# KiCad board raven.kicad_pcb (continued)
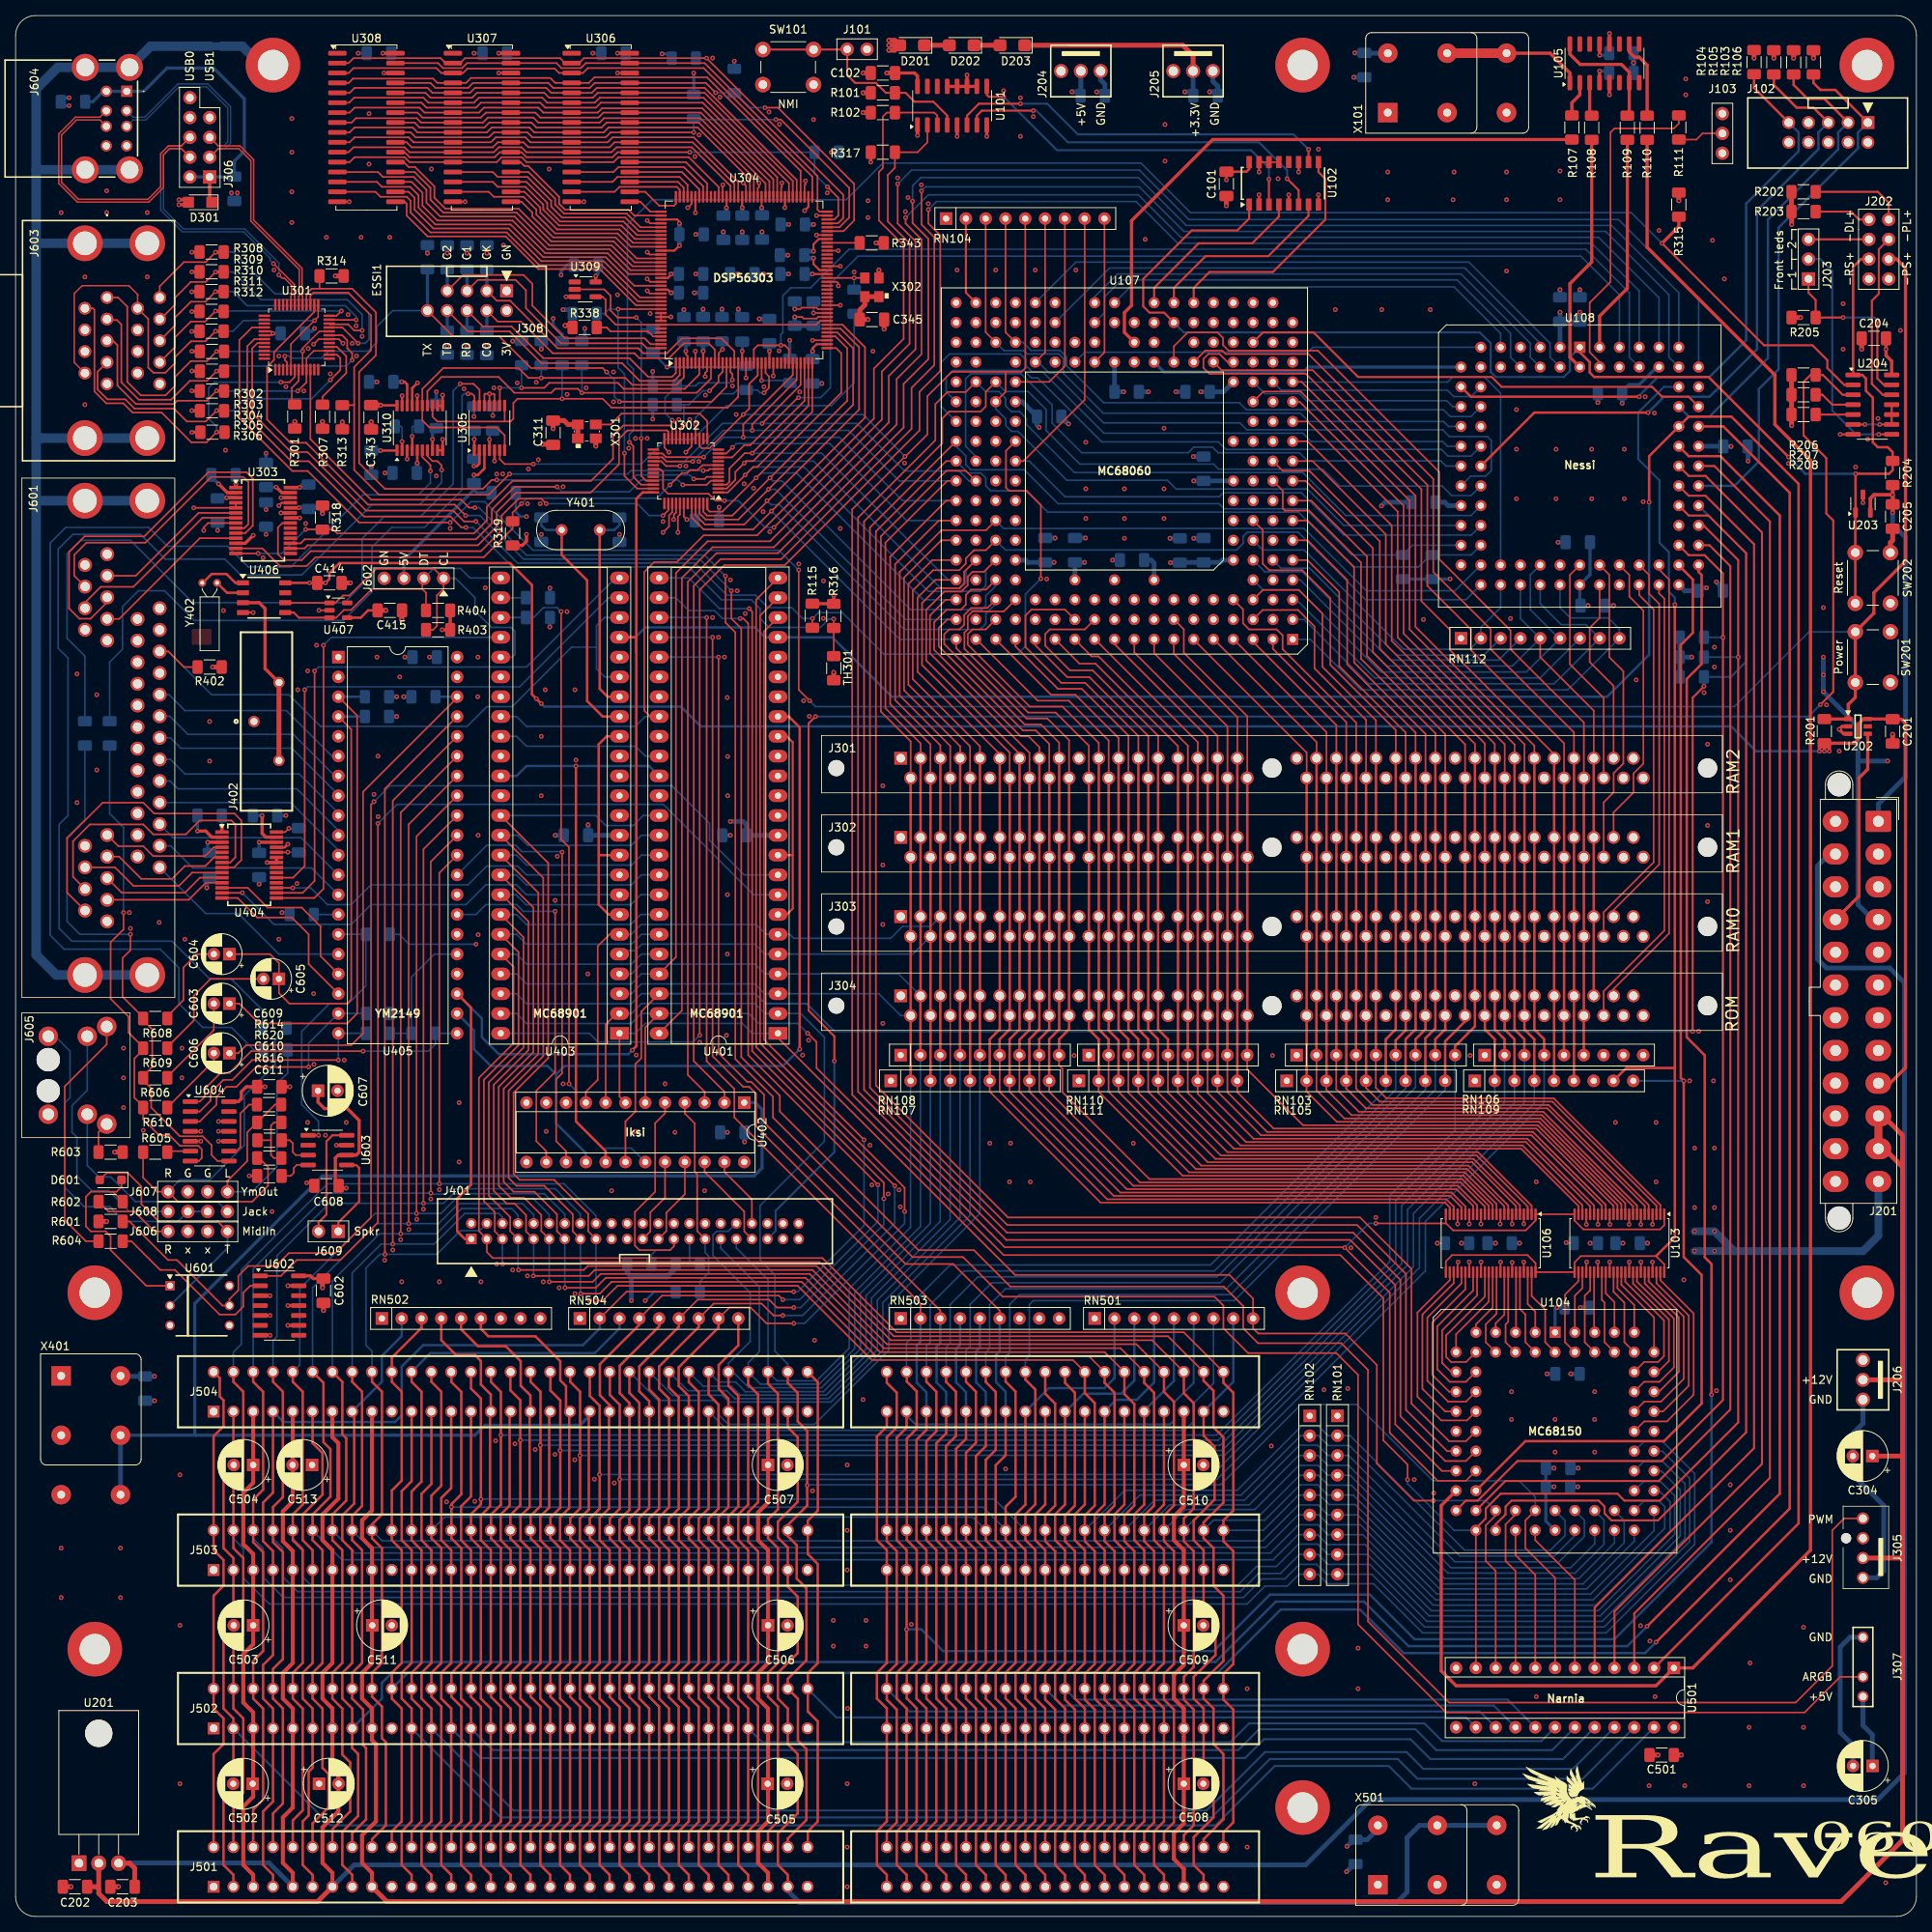
[diagram p0: board, top side]
## Footprints (pads in the part's own frame, mm; a bottom-side part is the same pattern mirrored in y, then rotated) (continued)
K42XE9PPA4NJ
  round 1.635 hole 1.09: A1(0,0) A2(2.77,0) A3(5.54,0) A4(8.31,0) A5(11.08,0) A6(1.385,-2.84) A7(4.155,-2.84) A8(6.925,-2.84) A9(9.695,-2.84) B1(0,6.76) B2(2.77,6.76) B3(5.54,6.76) B4(8.31,6.76) B5(11.08,6.76) B6(1.385,3.92) B7(4.155,3.92) B8(6.925,3.92) B9(9.695,3.92)
  round 4.575 hole 3.05: MH1(-6.955,5.16) MH2(18.035,5.16) MH3(-6.955,-2.84) MH4(18.035,-2.84)
L17H26R0121
  round 1.785 hole 1.19: A1(-6.94,-6.731) A2(-4.17,-6.731) A3(-1.4,-6.731) A4(1.37,-6.731) A5(4.14,-6.731) A6(-5.555,-9.571) A7(-2.785,-9.571) A8(-0.015,-9.571) A9(2.755,-9.571) B1(29.085,-6.731) B2(31.855,-6.731) B3(34.625,-6.731) B4(37.395,-6.731) B5(40.165,-6.731) B6(30.47,-9.571) B7(33.24,-9.571) B8(36.01,-9.571) B9(38.78,-9.571) C1(33.24,0) C2(30.47,0) C3(27.7,0) C4(24.93,0) C5(22.16,0) C6(19.39,0) C7(16.62,0) C8(13.85,0) C9(11.08,0) C10(8.31,0) C11(5.54,0) C12(2.77,0) C13(0,0) C14(31.855,-2.84) C15(29.085,-2.84) C16(26.315,-2.84) C17(23.545,-2.84) C18(20.775,-2.84) C19(18.005,-2.84) C20(15.235,-2.84) C21(12.465,-2.84) C22(9.695,-2.84) C23(6.925,-2.84) C24(4.155,-2.84) C25(1.385,-2.84)
  round 4.575 hole 3.05: MH1(-13.8,-1.59) MH2(47.04,-1.59) MH3(-13.8,-9.59) MH4(47.04,-9.59)
LQFP-48_7x7mm_P0.5mm
  rrect 1.475x0.3 smd: 1(-4.162,2.75) 2(-4.162,2.25) 3(-4.162,1.75) 4(-4.162,1.25) 5(-4.162,0.75) 6(-4.162,0.25) 7(-4.162,-0.25) 8(-4.162,-0.75) 9(-4.162,-1.25) 10(-4.162,-1.75) 11(-4.162,-2.25) 12(-4.162,-2.75) 25(4.162,-2.75) 26(4.162,-2.25) 27(4.162,-1.75) 28(4.162,-1.25) 29(4.162,-0.75) 30(4.162,-0.25) 31(4.162,0.25) 32(4.162,0.75) 33(4.162,1.25) 34(4.162,1.75) 35(4.162,2.25) 36(4.162,2.75)
  rrect 0.3x1.475 smd: 13(-2.75,-4.162) 14(-2.25,-4.162) 15(-1.75,-4.162) 16(-1.25,-4.162) 17(-0.75,-4.162) 18(-0.25,-4.162) 19(0.25,-4.162) 20(0.75,-4.162) 21(1.25,-4.162) 22(1.75,-4.162) 23(2.25,-4.162) 24(2.75,-4.162) 37(2.75,4.162) 38(2.25,4.162) 39(1.75,4.162) 40(1.25,4.162) 41(0.75,4.162) 42(0.25,4.162) 43(-0.25,4.162) 44(-0.75,4.162) 45(-1.25,4.162) 46(-1.75,4.162) 47(-2.25,4.162) 48(-2.75,4.162)
MC68060_PGA206
  rect 1.422x1.422 hole 0.8: A01(21.59,-20.574)
  round 1.422 hole 0.8: A02(19.05,-20.574) A03(16.51,-20.574) A04(13.97,-20.574) A05(11.43,-20.574) A06(8.89,-20.574) A07(6.35,-20.574) A08(3.81,-20.574) A09(1.27,-20.574) A10(-1.27,-20.574) A11(-3.81,-20.574) A12(-6.35,-20.574) A13(-8.89,-20.574) A14(-11.43,-20.574) A15(-13.97,-20.574) A16(-16.51,-20.574) A17(-19.05,-20.574) A18(-21.59,-20.574) B01(21.59,-18.034) B02(19.05,-18.034) B03(16.51,-18.034) B04(13.97,-18.034) B05(11.43,-18.034) B06(8.89,-18.034) B07(6.35,-18.034) B08(3.81,-18.034) B09(1.27,-18.034) B10(-1.27,-18.034) B11(-3.81,-18.034) B12(-6.35,-18.034) B13(-8.89,-18.034) B14(-11.43,-18.034) B15(-13.97,-18.034) B16(-16.51,-18.034) B17(-19.05,-18.034) B18(-21.59,-18.034) C01(21.59,-15.494) C02(19.05,-15.494) C03(16.51,-15.494) C04(13.97,-15.494) C05(11.43,-15.494) C06(8.89,-15.494) C07(6.35,-15.494) C08(3.81,-15.494) C09(1.27,-15.494) C10(-1.27,-15.494) C11(-3.81,-15.494) C12(-6.35,-15.494) C13(-8.89,-15.494) C14(-11.43,-15.494) C15(-13.97,-15.494) C16(-16.51,-15.494) C17(-19.05,-15.494) C18(-21.59,-15.494) D01(21.59,-12.954) D02(19.05,-12.954) D03(16.51,-12.954) D08(3.81,-12.954) D10(-1.27,-12.954) D12(-6.35,-12.954) D15(-13.97,-12.954) D16(-16.51,-12.954) D17(-19.05,-12.954) D18(-21.59,-12.954) E01(21.59,-10.414) E02(19.05,-10.414) E03(16.51,-10.414) E04(13.97,-10.414) E15(-13.97,-10.414) E16(-16.51,-10.414) E17(-19.05,-10.414) E18(-21.59,-10.414) F01(21.59,-7.874) F02(19.05,-7.874) F03(16.51,-7.874) F04(13.97,-7.874) F15(-13.97,-7.874) F16(-16.51,-7.874) F17(-19.05,-7.874) F18(-21.59,-7.874) G01(21.59,-5.334) G02(19.05,-5.334) G03(16.51,-5.334) G04(13.97,-5.334) G15(-13.97,-5.334) G16(-16.51,-5.334) G17(-19.05,-5.334) G18(-21.59,-5.334) H01(21.59,-2.794) H02(19.05,-2.794) H03(16.51,-2.794) H04(13.97,-2.794) H15(-13.97,-2.794) H16(-16.51,-2.794) H17(-19.05,-2.794) H18(-21.59,-2.794) J01(21.59,-0.254) J02(19.05,-0.254) J03(16.51,-0.254) J04(13.97,-0.254) J15(-13.97,-0.254) J16(-16.51,-0.254) J17(-19.05,-0.254) J18(-21.59,-0.254) K01(21.59,2.286) K02(19.05,2.286) K03(16.51,2.286) K15(-13.97,2.286) K16(-16.51,2.286) K17(-19.05,2.286) K18(-21.59,2.286) L01(21.59,4.826) L02(19.05,4.826) L03(16.51,4.826) L04(13.97,4.826) L15(-13.97,4.826) L16(-16.51,4.826) L17(-19.05,4.826) L18(-21.59,4.826) M01(21.59,7.366) M02(19.05,7.366) M03(16.51,7.366) M15(-13.97,7.366) M16(-16.51,7.366) M17(-19.05,7.366) M18(-21.59,7.366) N01(21.59,9.906) N02(19.05,9.906) N03(16.51,9.906) N15(-13.97,9.906) N16(-16.51,9.906) N17(-19.05,9.906) N18(-21.59,9.906) P01(21.59,12.446) P02(19.05,12.446) P03(16.51,12.446) P04(13.97,12.446) P15(-13.97,12.446) P16(-16.51,12.446) P17(-19.05,12.446) P18(-21.59,12.446) Q01(21.59,14.986) Q02(19.05,14.986) Q03(16.51,14.986) Q04(13.97,14.986) Q05(11.43,14.986) Q06(8.89,14.986) Q07(6.35,14.986) Q08(3.81,14.986) Q09(1.27,14.986) Q10(-1.27,14.986) Q11(-3.81,14.986) Q12(-6.35,14.986) Q13(-8.89,14.986) Q14(-11.43,14.986) Q15(-13.97,14.986) Q17(-19.05,14.986) Q18(-21.59,14.986) R01(21.59,17.526) R02(19.05,17.526) R03(16.51,17.526) R04(13.97,17.526) R05(11.43,17.526) R06(8.89,17.526) R08(3.81,17.526) R09(1.27,17.526) R11(-3.81,17.526) R12(-6.35,17.526) R13(-8.89,17.526) R14(-11.43,17.526) R15(-13.97,17.526) R16(-16.51,17.526) R17(-19.05,17.526) R18(-21.59,17.526) S01(21.59,20.066) S02(19.05,20.066) S03(16.51,20.066) S04(13.97,20.066) S05(11.43,20.066) S06(8.89,20.066) S07(6.35,20.066) S08(3.81,20.066) S09(1.27,20.066) S10(-1.27,20.066) S11(-3.81,20.066) S13(-8.89,20.066) S14(-11.43,20.066) S15(-13.97,20.066) S16(-16.51,20.066) S17(-19.05,20.066) S18(-21.59,20.066) T02(19.05,22.606) T03(16.51,22.606) T04(13.97,22.606) T05(11.43,22.606) T06(8.89,22.606) T07(6.35,22.606) T08(3.81,22.606) T10(-1.27,22.606) T11(-3.81,22.606) T13(-8.89,22.606) T14(-11.43,22.606) T15(-13.97,22.606) T16(-16.51,22.606) T17(-19.05,22.606) T18(-21.59,22.606)
NetTie-2_SMD_Pad0.5mm
  round 0.5 smd: 1(-0.762,0) 2(0.635,0)
Oscillator_DIP-8-16
  rect 2.5x2.5 hole 1: 1(0,0)
  round 2.5 hole 1: 4(7.62,0) 4(15.24,0) 5(7.62,7.62) 5(15.24,7.62) 8(0,7.62)
PinHeader_1x02_P2.54mm_Vertical
  round 1.7 hole 1: 1(0,0)
  oval 1.7x1.7 hole 1: 2(0,-2.54)
PinHeader_1x02_P2.54mm_Vertical#2
  rect 1.7x1.7 hole 1: 1(0,0)
  oval 1.7x1.7 hole 1: 2(0,-2.54)
PinHeader_1x03_P2.54mm_Vertical
  round 1.7 hole 1: 1(0,0)
  oval 1.7x1.7 hole 1: 2(0,-2.54) 3(0,-5.08)
PinHeader_1x03_P2.54mm_Vertical#2
  rect 1.7x1.7 hole 1: 1(0,0)
  oval 1.7x1.7 hole 1: 2(0,-2.54) 3(0,-5.08)
PinHeader_1x04_P2.54mm_Vertical
  round 1.7 hole 1: 1(0,0)
  oval 1.7x1.7 hole 1: 2(0,-2.54) 3(0,-5.08) 4(0,-7.62)
PinHeader_2x04_P2.54mm_Vertical
  round 1.7 hole 1: 1(0,0)
  oval 1.7x1.7 hole 1: 2(2.54,0) 3(0,-2.54) 4(2.54,-2.54) 5(0,-5.08) 6(2.54,-5.08) 7(0,-7.62) 8(2.54,-7.62)
PLCC-68_THT-Socket
  rect 1.422x1.422 hole 0.8: 1(0,0)
  round 1.422 hole 0.8: 2(0,-2.54) 3(-2.54,0) 4(-2.54,-2.54) 5(-5.08,0) 6(-5.08,-2.54) 7(-7.62,0) 8(-7.62,-2.54) 9(-10.16,0) 10(-12.7,-2.54) 11(-10.16,-2.54) 12(-12.7,-5.08) 13(-10.16,-5.08) 14(-12.7,-7.62) 15(-10.16,-7.62) 16(-12.7,-10.16) 17(-10.16,-10.16) 18(-12.7,-12.7) 19(-10.16,-12.7) 20(-12.7,-15.24) 21(-10.16,-15.24) 22(-12.7,-17.78) 23(-10.16,-17.78) 24(-12.7,-20.32) 25(-10.16,-20.32) 26(-12.7,-22.86) 27(-10.16,-25.4) 28(-10.16,-22.86) 29(-7.62,-25.4) 30(-7.62,-22.86) 31(-5.08,-25.4) 32(-5.08,-22.86) 33(-2.54,-25.4) 34(-2.54,-22.86) 35(0,-25.4) 36(0,-22.86) 37(2.54,-25.4) 38(2.54,-22.86) 39(5.08,-25.4) 40(5.08,-22.86) 41(7.62,-25.4) 42(7.62,-22.86) 43(10.16,-25.4) 44(12.7,-22.86) 45(10.16,-22.86) 46(12.7,-20.32) 47(10.16,-20.32) 48(12.7,-17.78) 49(10.16,-17.78) 50(12.7,-15.24) 51(10.16,-15.24) 52(12.7,-12.7) 53(10.16,-12.7) 54(12.7,-10.16) 55(10.16,-10.16) 56(12.7,-7.62) 57(10.16,-7.62) 58(12.7,-5.08) 59(10.16,-5.08) 60(12.7,-2.54) 61(10.16,0) 62(10.16,-2.54) 63(7.62,0) 64(7.62,-2.54) 65(5.08,0) 66(5.08,-2.54) 67(2.54,0) 68(2.54,-2.54)
PLCC-84_THT-Socket
  rect 1.422x1.422 hole 0.8: 1(0,0)
  round 1.422 hole 0.8: 2(0,-2.54) 3(-2.54,0) 4(-2.54,-2.54) 5(-5.08,0) 6(-5.08,-2.54) 7(-7.62,0) 8(-7.62,-2.54) 9(-10.16,0) 10(-10.16,-2.54) 11(-12.7,0) 12(-15.24,-2.54) 13(-12.7,-2.54) 14(-15.24,-5.08) 15(-12.7,-5.08) 16(-15.24,-7.62) 17(-12.7,-7.62) 18(-15.24,-10.16) 19(-12.7,-10.16) 20(-15.24,-12.7) 21(-12.7,-12.7) 22(-15.24,-15.24) 23(-12.7,-15.24) 24(-15.24,-17.78) 25(-12.7,-17.78) 26(-15.24,-20.32) 27(-12.7,-20.32) 28(-15.24,-22.86) 29(-12.7,-22.86) 30(-15.24,-25.4) 31(-12.7,-25.4) 32(-15.24,-27.94) 33(-12.7,-30.48) 34(-12.7,-27.94) 35(-10.16,-30.48) 36(-10.16,-27.94) 37(-7.62,-30.48) 38(-7.62,-27.94) 39(-5.08,-30.48) 40(-5.08,-27.94) 41(-2.54,-30.48) 42(-2.54,-27.94) 43(0,-30.48) 44(0,-27.94) 45(2.54,-30.48) 46(2.54,-27.94) 47(5.08,-30.48) 48(5.08,-27.94) 49(7.62,-30.48) 50(7.62,-27.94) 51(10.16,-30.48) 52(10.16,-27.94) 53(12.7,-30.48) 54(15.24,-27.94) 55(12.7,-27.94) 56(15.24,-25.4) 57(12.7,-25.4) 58(15.24,-22.86) 59(12.7,-22.86) 60(15.24,-20.32) 61(12.7,-20.32) 62(15.24,-17.78) 63(12.7,-17.78) 64(15.24,-15.24) 65(12.7,-15.24) 66(15.24,-12.7) 67(12.7,-12.7) 68(15.24,-10.16) 69(12.7,-10.16) 70(15.24,-7.62) 71(12.7,-7.62) 72(15.24,-5.08) 73(12.7,-5.08) 74(15.24,-2.54) 75(12.7,0) 76(12.7,-2.54) 77(10.16,0) 78(10.16,-2.54) 79(7.62,0) 80(7.62,-2.54) 81(5.08,0) 82(5.08,-2.54) 83(2.54,0) 84(2.54,-2.54)
R_1206_3216Metric_Pad1.30x1.75mm_HandSolder
  rrect 1.3x1.75 smd: 1(-1.55,0) 2(1.55,0)
R_Array_SIP9
  rect 1.6x1.6 hole 0.8: 1(0,0)
  oval 1.6x1.6 hole 0.8: 2(2.54,0) 3(5.08,0) 4(7.62,0) 5(10.16,0) 6(12.7,0) 7(15.24,0) 8(17.78,0) 9(20.32,0)
S8401-46
  round 1.45 hole 0.9: 1(0,1.6) 2(-5,-1.6) 3(5,-1.6)
SHDR10W64P254_2X5_2036X885X925P
  rect 1.65x1.65 hole 1.1: 1(0,0)
  round 1.65 hole 1.1: 2(0,2.54) 3(2.54,0) 4(2.54,2.54) 5(5.08,0) 6(5.08,2.54) 7(7.62,0) 8(7.62,2.54) 9(10.16,0) 10(10.16,2.54)
SIMM72_v_lpol
  round 2.06 hole 2.06 unplated: (-8.26,-1.27)
  round 2.47 hole 2.47 unplated: (47.62,-1.27) (103.5,-1.27)
  rect 1.65x1.65 hole 1.1: 1(0,0)
  round 1.65 hole 1.1: 2(1.27,-2.54) 3(2.54,0) 4(3.81,-2.54) 5(5.08,0) 6(6.35,-2.54) 7(7.62,0) 8(8.89,-2.54) 9(10.16,0) 10(11.43,-2.54) 11(12.7,0) 12(13.97,-2.54) 13(15.24,0) 14(16.51,-2.54) 15(17.78,0) 16(19.05,-2.54) 17(20.32,0) 18(21.59,-2.54) 19(22.86,0) 20(24.13,-2.54) 21(25.4,0) 22(26.67,-2.54) 23(27.94,0) 24(29.21,-2.54) 25(30.48,0) 26(31.75,-2.54) 27(33.02,0) 28(34.29,-2.54) 29(35.56,0) 30(36.83,-2.54) 31(38.1,0) 32(39.37,-2.54) 33(40.64,0) 34(41.91,-2.54) 35(43.18,0) 36(44.45,-2.54) 37(50.8,0) 38(52.07,-2.54) 39(53.34,0) 40(54.61,-2.54) 41(55.88,0) 42(57.15,-2.54) 43(58.42,0) 44(59.69,-2.54) 45(60.96,0) 46(62.23,-2.54) 47(63.5,0) 48(64.77,-2.54) 49(66.04,0) 50(67.31,-2.54) 51(68.58,0) 52(69.85,-2.54) 53(71.12,0) 54(72.39,-2.54) 55(73.66,0) 56(74.93,-2.54) 57(76.2,0) 58(77.47,-2.54) 59(78.74,0) 60(80.01,-2.54) 61(81.28,0) 62(82.55,-2.54) 63(83.82,0) 64(85.09,-2.54) 65(86.36,0) 66(87.63,-2.54) 67(88.9,0) 68(90.17,-2.54) 69(91.44,0) 70(92.71,-2.54) 71(93.98,0) 72(95.25,-2.54)
SOD-123W-handsolder
  rect 1.4x1.4 smd: 1(-1.5,0) 2(1.5,0)
SOIC127P600X175-8N
  rect 1.525x0.65 smd: 1(-2.712,1.905) 2(-2.712,0.635) 3(-2.712,-0.635) 4(-2.712,-1.905) 5(2.712,-1.905) 6(2.712,-0.635) 7(2.712,0.635) 8(2.712,1.905)
SOIC127P600X175-16N
  rect 1.55x0.7 smd: 1(-2.725,4.445) 2(-2.725,3.175) 3(-2.725,1.905) 4(-2.725,0.635) 5(-2.725,-0.635) 6(-2.725,-1.905) 7(-2.725,-3.175) 8(-2.725,-4.445) 9(2.725,-4.445) 10(2.725,-3.175) 11(2.725,-1.905) 12(2.725,-0.635) 13(2.725,0.635) 14(2.725,1.905) 15(2.725,3.175) 16(2.725,4.445)
SOIC-8_3.9x4.9mm_P1.27mm
  rrect 1.95x0.6 smd: 1(-2.475,1.905) 2(-2.475,0.635) 3(-2.475,-0.635) 4(-2.475,-1.905) 5(2.475,-1.905) 6(2.475,-0.635) 7(2.475,0.635) 8(2.475,1.905)
SOIC-14_3.9x8.7mm_P1.27mm
  rrect 1.95x0.6 smd: 1(-2.475,3.81) 2(-2.475,2.54) 3(-2.475,1.27) 4(-2.475,0) 5(-2.475,-1.27) 6(-2.475,-2.54) 7(-2.475,-3.81) 8(2.475,-3.81) 9(2.475,-2.54) 10(2.475,-1.27) 11(2.475,0) 12(2.475,1.27) 13(2.475,2.54) 14(2.475,3.81)
SOIC-16_3.9x9.9mm_P1.27mm
  rrect 1.95x0.6 smd: 1(-2.475,4.445) 2(-2.475,3.175) 3(-2.475,1.905) 4(-2.475,0.635) 5(-2.475,-0.635) 6(-2.475,-1.905) 7(-2.475,-3.175) 8(-2.475,-4.445) 9(2.475,-4.445) 10(2.475,-3.175) 11(2.475,-1.905) 12(2.475,-0.635) 13(2.475,0.635) 14(2.475,1.905) 15(2.475,3.175) 16(2.475,4.445)
SOJ32_SRAM_300
  rrect 2.35x0.6 smd: 1(-3.725,9.525) 2(-3.725,8.255) 3(-3.725,6.985) 4(-3.725,5.715) 5(-3.725,4.445) 6(-3.725,3.175) 8(-3.725,0.635) 9(-3.725,-0.635) 10(-3.725,-1.905) 11(-3.725,-3.175) 12(-3.725,-4.445) 13(-3.725,-5.715) 14(-3.725,-6.985) 15(-3.725,-8.255) 16(-3.725,-9.525) 17(3.725,-9.525) 18(3.725,-8.255) 19(3.725,-6.985) 20(3.725,-5.715) 21(3.725,-4.445) 22(3.725,-3.175) 23(3.725,-1.905) 24(3.725,-0.635) 25(3.725,0.635) 27(3.725,3.175) 28(3.725,4.445) 29(3.725,5.715) 30(3.725,6.985) 31(3.725,8.255) 32(3.725,9.525)
  rrect 2.35x0.595 smd: 7(-3.725,1.903)
  rrect 2.35x0.605 smd: 26(3.725,1.903)
SOP65P778X199-28N
  rect 1.705x0.45 smd: 1(-3.498,4.225) 2(-3.498,3.575) 3(-3.498,2.925) 4(-3.498,2.275) 5(-3.498,1.625) 6(-3.498,0.975) 7(-3.498,0.325) 8(-3.498,-0.325) 9(-3.498,-0.975) 10(-3.498,-1.625) 11(-3.498,-2.275) 12(-3.498,-2.925) 13(-3.498,-3.575) 14(-3.498,-4.225) 15(3.498,-4.225) 16(3.498,-3.575) 17(3.498,-2.925) 18(3.498,-2.275) 19(3.498,-1.625) 20(3.498,-0.975) 21(3.498,-0.325) 22(3.498,0.325) 23(3.498,0.975) 24(3.498,1.625) 25(3.498,2.275) 26(3.498,2.925) 27(3.498,3.575) 28(3.498,4.225)
SOT95P275X110-6N
  rect 1.05x0.55 smd: 1(-1.25,0.95) 2(-1.25,0) 3(-1.25,-0.95) 4(1.25,-0.95) 5(1.25,0) 6(1.25,0.95)
SOT-23-3
  rrect 1.325x0.6 smd: 1(-1.137,0.95) 2(-1.137,-0.95) 3(1.137,0)
SOT-23-5
  rrect 1.325x0.6 smd: 1(-1.137,0.95) 2(-1.137,0) 3(-1.137,-0.95) 4(1.137,-0.95) 5(1.137,0.95)
SOT-23-5_HandSoldering
  rrect 1.56x0.65 smd: 1(-1.35,0.95) 2(-1.35,0) 3(-1.35,-0.95) 4(1.35,-0.95) 5(1.35,0.95)
STX4235-33
  round 3 hole 3 unplated: (-2,-5) (2,-5)
  round 2.5 hole 1.5: 1A(5,-5) 1B(-5,-5) 2A(6.25,2.5) 2B(-5,0) 5A(-6.25,2.5) 5B(5,0)
SW_PUSH_6mm_H4.3mm
  round 2 hole 1.1: 1(0,0) 1(6.5,0) 2(0,-4.5) 2(6.5,-4.5)
TO-220-3_Horizontal_TabDown
  oval 3.5x3.5 hole 3.5 unplated: (2.54,16.66)
  rect 1.905x2 hole 1.1: 1(0,0)
  oval 1.905x2 hole 1.1: 2(2.54,0) 3(5.08,0)
TQFP-48_7x7mm_P0.5mm
  rrect 1.475x0.3 smd: 1(-4.162,2.75) 2(-4.162,2.25) 3(-4.162,1.75) 4(-4.162,1.25) 5(-4.162,0.75) 6(-4.162,0.25) 7(-4.162,-0.25) 8(-4.162,-0.75) 9(-4.162,-1.25) 10(-4.162,-1.75) 11(-4.162,-2.25) 12(-4.162,-2.75) 25(4.162,-2.75) 26(4.162,-2.25) 27(4.162,-1.75) 28(4.162,-1.25) 29(4.162,-0.75) 30(4.162,-0.25) 31(4.162,0.25) 32(4.162,0.75) 33(4.162,1.25) 34(4.162,1.75) 35(4.162,2.25) 36(4.162,2.75)
  rrect 0.3x1.475 smd: 13(-2.75,-4.162) 14(-2.25,-4.162) 15(-1.75,-4.162) 16(-1.25,-4.162) 17(-0.75,-4.162) 18(-0.25,-4.162) 19(0.25,-4.162) 20(0.75,-4.162) 21(1.25,-4.162) 22(1.75,-4.162) 23(2.25,-4.162) 24(2.75,-4.162) 37(2.75,4.162) 38(2.25,4.162) 39(1.75,4.162) 40(1.25,4.162) 41(0.75,4.162) 42(0.25,4.162) 43(-0.25,4.162) 44(-0.75,4.162) 45(-1.25,4.162) 46(-1.75,4.162) 47(-2.25,4.162) 48(-2.75,4.162)
TSSOP-14_4.4x5mm_P0.65mm
  rrect 1.475x0.4 smd: 1(-2.862,1.95) 2(-2.862,1.3) 3(-2.862,0.65) 4(-2.862,0) 5(-2.862,-0.65) 6(-2.862,-1.3) 7(-2.862,-1.95) 8(2.862,-1.95) 9(2.862,-1.3) 10(2.862,-0.65) 11(2.862,0) 12(2.862,0.65) 13(2.862,1.3) 14(2.862,1.95)
TSSOP-20_4.4x6.5mm_P0.65mm
  rrect 1.475x0.4 smd: 1(-2.862,2.925) 2(-2.862,2.275) 3(-2.862,1.625) 4(-2.862,0.975) 5(-2.862,0.325) 6(-2.862,-0.325) 7(-2.862,-0.975) 8(-2.862,-1.625) 9(-2.862,-2.275) 10(-2.862,-2.925) 11(2.862,-2.925) 12(2.862,-2.275) 13(2.862,-1.625) 14(2.862,-0.975) 15(2.862,-0.325) 16(2.862,0.325) 17(2.862,0.975) 18(2.862,1.625) 19(2.862,2.275) 20(2.862,2.925)
TSSOP-48_6.1x12.5mm_P0.5mm
  rrect 1.475x0.3 smd: 1(-3.712,5.75) 2(-3.712,5.25) 3(-3.712,4.75) 4(-3.712,4.25) 5(-3.712,3.75) 6(-3.712,3.25) 7(-3.712,2.75) 8(-3.712,2.25) 9(-3.712,1.75) 10(-3.712,1.25) 11(-3.712,0.75) 12(-3.712,0.25) 13(-3.712,-0.25) 14(-3.712,-0.75) 15(-3.712,-1.25) 16(-3.712,-1.75) 17(-3.712,-2.25) 18(-3.712,-2.75) 19(-3.712,-3.25) 20(-3.712,-3.75) 21(-3.712,-4.25) 22(-3.712,-4.75) 23(-3.712,-5.25) 24(-3.712,-5.75) 25(3.712,-5.75) 26(3.712,-5.25) 27(3.712,-4.75) 28(3.712,-4.25) 29(3.712,-3.75) 30(3.712,-3.25) 31(3.712,-2.75) 32(3.712,-2.25) 33(3.712,-1.75) 34(3.712,-1.25) 35(3.712,-0.75) 36(3.712,-0.25) 37(3.712,0.25) 38(3.712,0.75) 39(3.712,1.25) 40(3.712,1.75) 41(3.712,2.25) 42(3.712,2.75) 43(3.712,3.25) 44(3.712,3.75) 45(3.712,4.25) 46(3.712,4.75) 47(3.712,5.25) 48(3.712,5.75)
USB2Header
  rect 1.7x1.7 hole 1: 1(0,0)
  oval 1.7x1.7 hole 1: 2(2.54,0) 3(0,-2.54) 4(2.54,-2.54) 5(0,-5.08) 6(2.54,-5.08) 7(0,-7.62) 8(2.54,-7.62) 10(2.54,-10.16)
USB1035GFP0BB
  round 3.45 hole 2.3: 1(-3.07,0.35) 2(10.07,0.35) 3(-3.07,-5.33) 4(10.07,-5.33)
  rect 1.431x1.431 hole 0.92: A1(0,0)
  round 1.431 hole 0.92: A2(2.5,0) A3(4.5,0) A4(7,0) B1(0,-2.62) B2(2.5,-2.62) B3(4.5,-2.62) B4(7,-2.62)

## Nets
+3.3V: C101.1 C107.1 C108.1 C109.1 C110.2 C111.1 C112.2 C113.2 C114.2 C115.2 C116.2 C117.2 C122.2 C123.2 C124.2 C125.2 C126.2 C127.2 C128.2 C129.2 C130.2 C205.1 C207.1 C301.2 C303.1 C306.1 C311.1 C312.2 C313.2 C314.2 C315.2 C316.2 C317.2 C318.2 C319.2 C320.2 C321.2 C322.2 C323.2 C324.2 C325.2 C326.2 C327.2 C328.2 C329.2 C330.2 C335.1 C338.1 C340.1 C341.1 C342.1 C343.1 C345.1 D203.1 J102.4 J103.3 J201.1 J201.2 J201.12 J201.13 J205.2 J301.1 J301.72 J302.1 J302.72 J303.1 J303.72 J304.1 J304.72 J308.2 R103.1 R104.1 R105.1 R106.1 R115.1 R116.1 R117.1 R204.1 R301.1 R307.1 R313.1 R314.1 R315.1 R316.2 R317.1 R318.1 R319.1 R320.1 R327.2 R334.1 R335.1 R337.1 R338.1 R339.1 R340.1 R341.1 R342.1 R343.2 RN103.1 RN104.1 RN105.1 RN106.1 RN107.1 RN108.1 RN109.1 RN110.1 RN111.1 RN112.1 U102.2 U102.11 U102.16 U103.7 U103.18 U103.31 U103.42 U105.4 U105.13 U106.7 U106.18 U106.31 U106.42 U107.B05 U107.B09 U107.B14 U107.C02 U107.C05 U107.C08 U107.C10 U107.C12 U107.C14 U107.C17 U107.D08 U107.D10 U107.D12 U107.D15 U107.E04 U107.E15 U107.G02 U107.G04 U107.G15 U107.G17 U107.H03 U107.H16 U107.J03 U107.J04 U107.J15 U107.J16 U107.L04 U107.L16 U107.M02 U107.M03 U107.M17 U107.N15 U107.P04 U107.Q10 U107.R02 U107.R05 U107.R08 U107.R12 U107.R17 U107.S03 U107.S05 U107.S06 U107.S08 U107.S16 U107.T05 U108.13 U108.26 U108.38 U108.53 U108.66 U108.78 U203.2 U301.41 U301.42 U302.39 U302.42 U303.22 U303.23 U303.26 U304.6 U304.8 U304.18 U304.25 U304.38 U304.45 U304.56 U304.57 U304.65 U304.74 U304.80 U304.86 U304.91 U304.95 U304.103 U304.111 U304.119 U304.126 U304.129 U304.135 U304.136 U304.137 U305.4 U306.30 U306.32 U307.30 U307.32 U308.30 U308.32 U309.5 U310.1 U310.8 U310.17 U310.20 X101.1 X101.8 X301.1 X301.4 X302.1 X302.4
+5V: C102.1 C103.1 C104.1 C105.2 C106.2 C118.2 C119.2 C120.2 C121.2 C204.1 C206.1 C305.1 C331.2 C332.2 C403.2 C404.1 C405.2 C406.2 C407.1 C408.1 C415.2 C501.1 C502.1 C503.1 C504.1 C505.1 C506.1 C507.1 C508.1 C509.1 C510.1 C514.2 C602.1 C607.1 C608.2 C609.1 D201.2 D301.2 J201.4 J201.6 J201.21 J201.22 J201.23 J204.2 J307.1 J401.41 J401.42 J501.3 J501.29 J501.78 J502.3 J502.29 J502.78 J503.3 J503.29 J503.78 J504.3 J504.29 J504.78 J602.3 J603.A7 J603.B7 R101.1 R102.1 R112.1 R113.1 R114.1 R202.1 R203.1 R205.2 R206.2 R207.2 R208.2 R302.1 R303.1 R304.1 R305.1 R306.1 R308.1 R309.1 R310.1 R311.1 R312.1 R401.1 R402.1 R403.1 R404.1 R405.1 R406.1 R408.1 R601.2 R603.2 R617.1 R618.1 R619.1 RN101.1 RN102.1 RN501.1 RN502.1 U101.1 U101.10 U101.11 U101.12 U101.13 U101.16 U104.1 U104.35 U108.3 U108.43 U204.14 U305.3 U401.11 U402.24 U403.11 U404.22 U404.23 U404.26 U405.25 U405.28 U405.40 U407.4 U501.24 U602.14 U603.6 U604.11 U604.12 U604.14 X401.1 X401.8 X501.1 X501.8
+5VL: C201.1 C413.2 C414.2 J201.9 R201.2 U202.6 U406.8
+12V: C304.1 C511.1 J201.10 J201.11 J206.2 J305.3 J501.9 J502.9 J503.9 J504.9
-5V: C203.1 C513.2 J501.5 J502.5 J503.5 J504.5 U201.3
-12V: C202.1 C512.2 J201.14 J501.7 J502.7 J503.7 J504.7 U201.2
GND: C101.2 C102.2 C103.2 C104.2 C105.1 C106.1 C107.2 C108.2 C109.2 C110.1 C111.2 C112.1 C113.1 C114.1 C115.1 C116.1 C117.1 C118.1 C119.1 C120.1 C121.1 C122.1 C123.1 C124.1 C125.1 C126.1 C127.1 C128.1 C129.1 C130.1 C201.2 C202.2 C203.2 C204.2 C205.2 C206.2 C207.2 C301.1 C302.2 C303.2 C304.2 C305.2 C306.2 C308.2 C310.2 C311.2 C312.1 C313.1 C314.1 C315.1 C316.1 C317.1 C318.1 C319.1 C320.1 C321.1 C322.1 C323.1 C324.1 C325.1 C326.1 C327.1 C328.1 C329.1 C330.1 C331.1 C332.1 C335.2 C337.1 C340.2 C341.2 C342.2 C343.2 C345.2 C346.1 C347.2 C401.1 C402.1 C403.1 C404.2 C405.1 C406.1 C407.2 C408.2 C410.2 C412.2 C413.1 C414.1 C415.1 C501.2 C502.2 C503.2 C504.2 C505.2 C506.2 C507.2 C508.2 C509.2 C510.2 C511.2 C512.1 C513.1 C514.1 C601.2 C602.2 C607.2 C608.1 C609.2 C611.2 H601.1 H602.1 H603.1 H604.1 H605.1 H606.1 H607.1 H608.1 H609.1 J101.1 J102.2 J102.10 J103.1 J201.3 J201.5 J201.7 J201.15 J201.17 J201.18 J201.19 J201.24 J202.7 J202.8 J204.3 J205.3 J206.3 J301.10 J301.19 J301.28 J301.37 J301.46 J301.53 J301.62 J302.10 J302.19 J302.28 J302.37 J302.46 J302.53 J302.62 J303.10 J303.19 J303.28 J303.37 J303.46 J303.53 J303.62 J304.10 J304.19 J304.28 J304.37 J304.46 J304.53 J304.62 J305.4 J306.7 J306.8 J307.4 J308.1 J401.2 J401.19 J401.22 J401.24 J401.26 J401.28 J401.30 J401.40 J401.43 J401.44 J402.1 J501.1 J501.10 J501.31 J501.80 J502.1 J502.10 J502.31 J502.80 J503.1 J503.10 J503.31 J503.80 J504.1 J504.10 J504.31 J504.80 J601.A5 J601.B5 J601.C18 J601.C19 J601.C20 J601.C21 J601.C22 J601.C23 J601.C24 J601.C25 J602.4 J603.A8 J603.B8 J604.A4 J604.B4 J605.1A J607.2 J607.3 NT601.1 R321.1 R322.1 R323.1 R324.1 R325.1 R326.1 R328.1 R329.1 R330.1 R331.1 R332.1 R333.1 R336.1 R344.2 R407.2 R409.2 R611.2 R612.2 R613.2 R621.2 RN503.1 RN504.1 SW101.1 SW201.1 SW202.2 TH301.2 U101.5 U101.8 U102.5 U102.8 U102.13 U102.14 U102.15 U103.4 U103.10 U103.15 U103.21 U103.28 U103.34 U103.39 U103.45 U104.18 U104.52 U105.5 U105.12 U106.4 U106.10 U106.15 U106.21 U106.28 U106.34 U106.39 U106.45 U107.B02 U107.B04 U107.B06 U107.B08 U107.B10 U107.B13 U107.B15 U107.B17 U107.C06 U107.C07 U107.C09 U107.C11 U107.C13 U107.D02 U107.D17 U107.F02 U107.F04 U107.F15 U107.F17 U107.H02 U107.H04 U107.H15 U107.H17 U107.K03 U107.K16 U107.L02 U107.L03 U107.L17 U107.M15 U107.M16 U107.N02 U107.N17 U107.Q02 U107.Q09 U107.Q17 U107.R04 U107.R06 U107.R11 U107.R13 U107.S02 U107.S04 U107.S09 U107.S10 U107.S15 U107.S17 U107.T03 U107.T04 U107.T13 U108.7 U108.19 U108.32 U108.42 U108.47 U108.59 U108.72 U108.82 U201.1 U202.2 U202.3 U203.3 U204.7 U301.18 U302.17 U302.24 U302.40 U302.41 U303.4 U303.5 U303.8 U303.12 U303.25 U304.9 U304.19 U304.26 U304.39 U304.47 U304.48 U304.54 U304.58 U304.62 U304.66 U304.71 U304.75 U304.81 U304.87 U304.90 U304.96 U304.104 U304.112 U304.120 U304.127 U304.130 U305.2 U305.5 U305.10 U305.11 U305.12 U306.16 U307.16 U308.16 U309.3 U310.3 U310.9 U310.10 U310.11 U310.12 U310.16 U310.19 U401.19 U401.20 U401.36 U402.10 U402.11 U402.12 U402.13 U403.20 U403.34 U403.36 U404.25 U405.1 U405.24 U406.4 U407.2 U501.12 U501.13 U601.4 U602.3 U602.5 U602.7 U602.9 U602.11 U602.13 U603.7 U604.4 U604.5 U604.10 X101.4 X301.2 X302.2 X401.4 X501.4
68150:CLK: R110.1 U104.24 U501.1
68150:LR~{W}: U104.31 U501.8
68150:R~{W}: RN501.9 U104.30 U401.1 U402.7 U403.1 U501.10
68150:UR~{W}: U104.32 U501.9
68150:~{BUSCS}: RN109.8 U103.25 U103.48 U106.25 U106.48 U108.73
68150:~{CS}: RN109.9 U104.25 U108.55
68150:~{DSACK0}: U104.28 U108.56
68150:~{DSACK1}: U104.29 U108.61
68150:~{DS}: R113.2 U104.27 U108.58 U401.47 U402.6 U403.47 U501.11
68150:~{TA}: R112.2 U104.26 U108.57
/ICLK_X1_2: R109.2 U105.7 U105.16
/ICLK_X1_3: R110.2 U105.10
/ICLK_X1_4: U105.11
/ICLK_X2_2: R108.2 U105.3
/ICLK_X2_3: U105.14
/ICLK_X2_4: U105.15
/ISA/ISA:AEN: J501.42 J502.42 J503.42 J504.42 RN504.3
/ISA/ISA:DACK0: J501.70 J502.70 J503.70 J504.70 RN501.2
/ISA/ISA:DACK1: J501.17 J502.17 J503.17 J504.17 RN502.5
/ISA/ISA:DACK2: J501.26 J502.26 J503.26 J504.26 RN501.7
/ISA/ISA:DACK3: J501.15 J502.15 J503.15 J504.15 RN502.4
/ISA/ISA:DACK5: J501.72 J502.72 J503.72 J504.72 RN501.3
/ISA/ISA:DACK6: J501.74 J502.74 J503.74 J504.74 RN501.4
/ISA/ISA:DACK7: J501.76 J502.76 J503.76 J504.76 RN501.5
/ISA/ISA:DRQ0: J501.71 J502.71 J503.71 J504.71
/ISA/ISA:DRQ1: J501.18 J502.18 J503.18 J504.18
/ISA/ISA:DRQ2: J501.6 J502.6 J503.6 J504.6
/ISA/ISA:DRQ3: J501.16 J502.16 J503.16 J504.16
/ISA/ISA:DRQ5: J501.73 J502.73 J503.73 J504.73
/ISA/ISA:DRQ6: J501.75 J502.75 J503.75 J504.75
/ISA/ISA:DRQ7: J501.77 J502.77 J503.77 J504.77
/ISA/ISA:IOCHK: J501.32 J502.32 J503.32 J504.32
/ISA/ISA:IRQ6: J501.22 J502.22 J503.22 J504.22 RN504.5
/ISA/ISA:IRQ12: J501.67 J502.67 J503.67 J504.67 RN503.4
/ISA/ISA:IRQ13: J501.68 J502.68 J503.68 J504.68 RN503.5
/ISA/ISA:MASTER: J501.79 J502.79 J503.79 J504.79 RN501.8
/ISA/ISA:MEMCS16: J501.63 J502.63 J503.63 J504.63
/ISA/ISA:OSC: J501.30 J502.30 J503.30 J504.30 X501.5
/ISA/ISA:REFRESH: J501.19 J502.19 J503.19 J504.19 RN502.6
/ISA/ISA:TC: J501.27 J502.27 J503.27 J504.27 RN504.9
/Local16/IDE:IRQ: J401.31 R407.1 U402.4
/Local16/IDE:~{CS0}: J401.37 U402.22
/Local16/IDE:~{CS1}: J401.38 U402.23
/Local16/IDE:~{RDY}: J401.27 R406.2 U402.5
/Local16/IDE:~{RD}: J401.25 U402.21
/Local16/IDE:~{WR}: J401.23 U402.20
/Local16/MFP1:CD: U403.23 U404.19
/Local16/MFP1:CTS: U403.24 U404.16
/Local16/MFP1:RI: U403.28 U404.15
/Local16/MFP1:SI: U403.9 U404.17
/Local16/MFP1:SO: U403.8 U404.13
/Local16/MFP1:TAO: U403.13
/Local16/MFP1:TBO: U403.14
/Local16/MFP1:TCO: U403.15
/Local16/MFP1:~{IEO}: U401.34 U403.33
/Local16/MFP2:TAO: U401.13
/Local16/MFP2:TBO: U401.14
/Local16/MFP2:TCO: U401.15
/Local16/YM:BC1: U402.15 U405.29
/Local16/YM:BDIR: U402.14 U405.27
/Local16/YM:DTR: U404.12 U405.17
/Local16/YM:RTS: U404.14 U405.18
/Local32/AUDIO_ADC_L: C333.1 U305.13
/Local32/AUDIO_ADC_R: C334.1 U305.14
/Local32/PCAP: C338.2 U304.46
/Local32/UART1:CTSB: U302.23 U303.16
/Local32/UART1:RTSB: R318.2 U302.22 U303.14
/Local32/UART1:RXB: U302.4 U303.17
/Local32/UART1:TXB: R319.2 U302.8 U303.13
/Local32/UART1_CLK: U302.13 X301.3
/Local32/UART1_CONN: U302.38 U303.21
/Local32/~{CKBD_BL}: R307.2 U301.16
/Misc/AUDIO_SPK_M: J609.2 U603.8
/Misc/AUDIO_SPK_P: J609.1 U603.5
/Misc/SHIELD: J601.MH1 J601.MH2 J601.MH3 J601.MH4 J603.MH1 J603.MH2 J603.MH3 J603.MH4 J604.1 J604.2 J604.3 J604.4 NT601.2
/Power/HDDLED+: J202.1 R203.2
/Power/HDDLED-: J202.3 J203.3
/Power/PWRLED+: J202.2 R202.2